# Altium PCB LF_v5.PcbDoc (part 1 of 2)
Units mm, origin at the board's own origin, x right, y up, seen from the top; angles counter-clockwise.
Board outline 130 x 40.35 mm, 2 copper layers (Top Layer, Bottom Layer), stack 1.571 mm thick; 76 components, 75 nets, 383 pads, 137 vias.
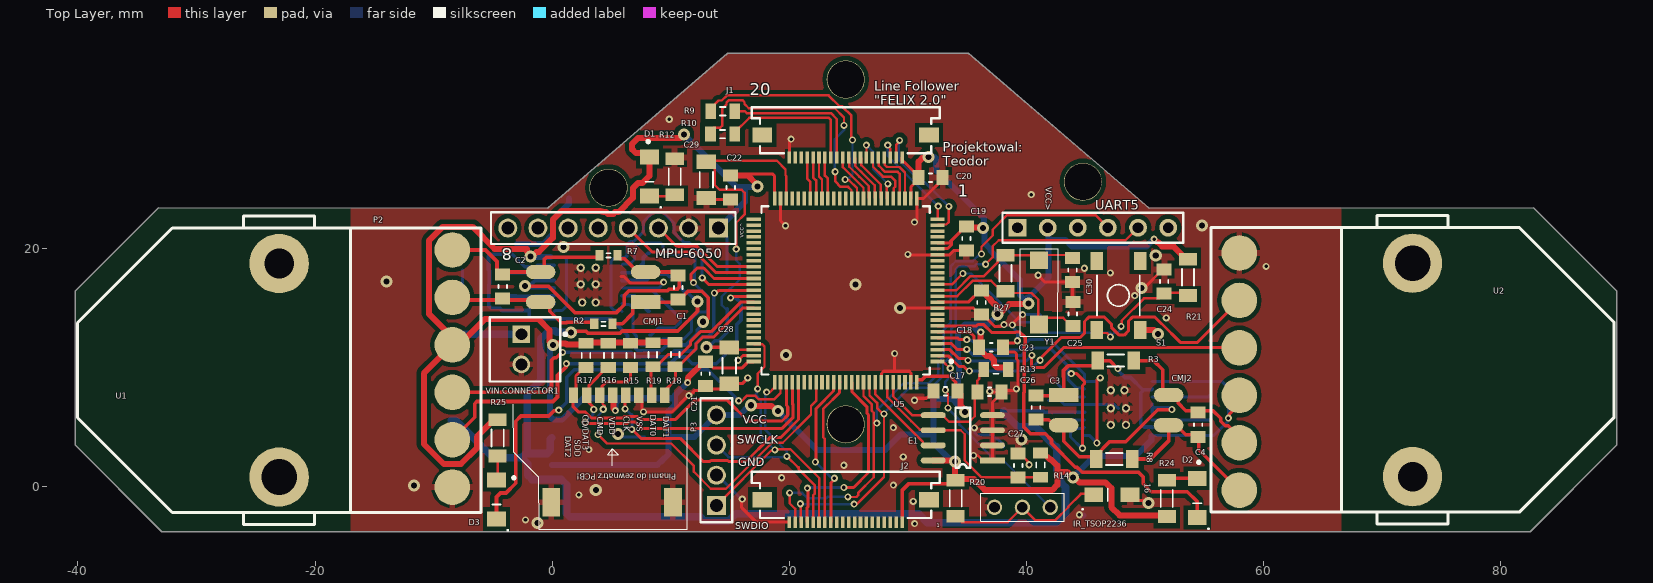
[diagram p0: Top Layer view]
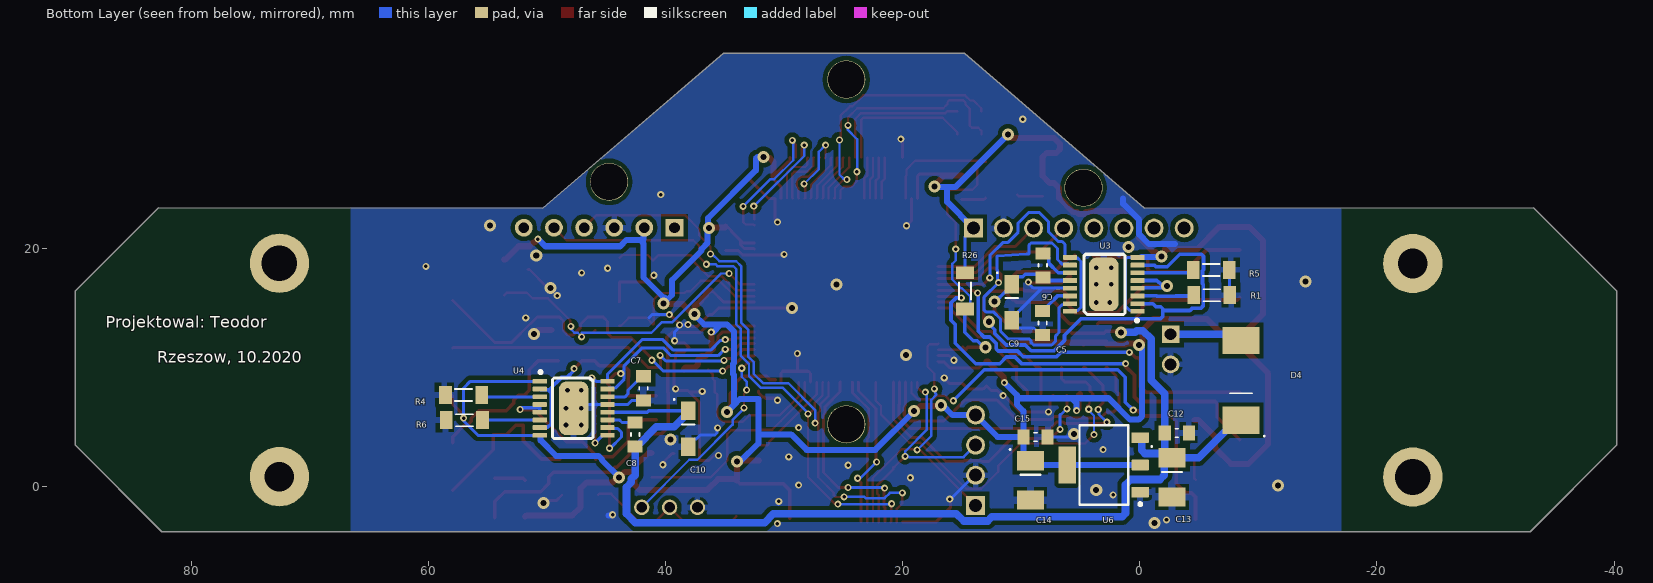
[diagram p1: Bottom Layer view, seen from below]
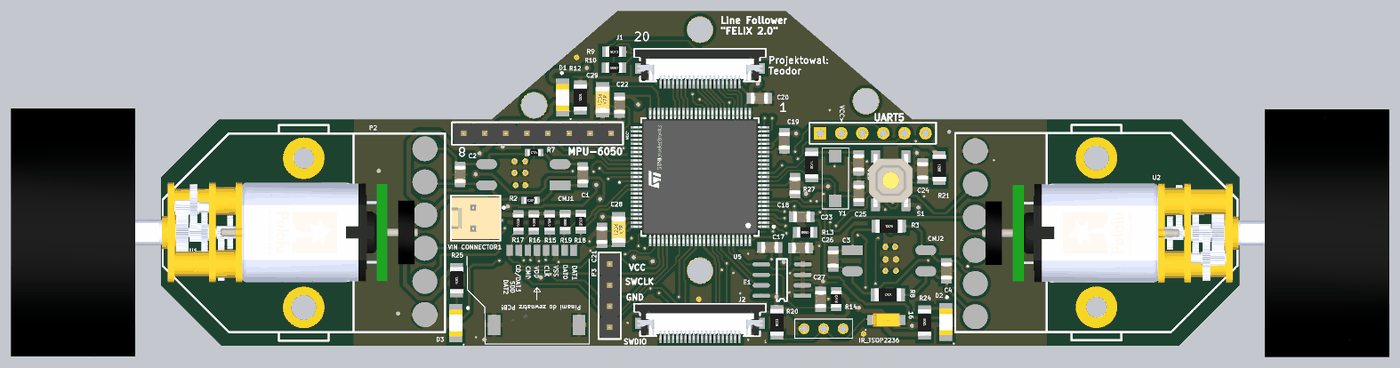
[diagram p3: 3D render of the assembled board from above, using the file's embedded part models]
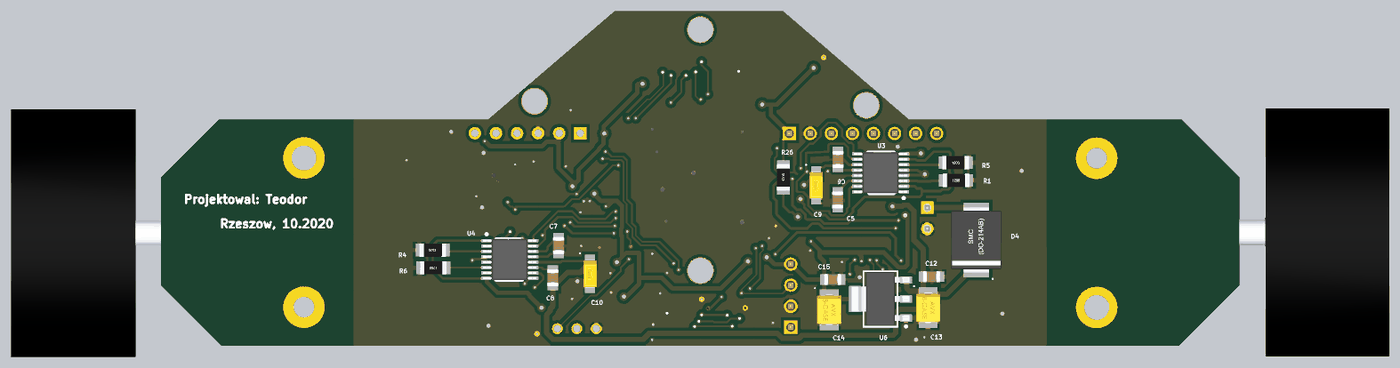
[diagram p4: 3D render of the assembled board from below, using the file's embedded part models]

## Layer stack, top to bottom
Top Solder: solder mask 0.0102, Solder Resist, Dk 3.5
Top Layer: signal copper 0.0356
Dielectric1: core 1.5, FR-4, Dk 4.8
Bottom Layer: signal copper 0.0356
Bottom Solder: solder mask 0.0102, Solder Resist, Dk 3.5

## Board outline
-40.225,3.45 -40.225,16.45 -33.225,23.45 -0.369,23.442 14.789,36.5 35.1,36.5 50.334,23.442 82.775,23.45 89.775,16.45 89.775,3.45 82.475,-3.85 -32.925,-3.85

## Design rules (kind name [scope] priority, off if disabled: settings)
AssemblyTestPointUsage [All] p1 off:
AssemblyTestpoint [All] p1 off: testpointundercomponent=TRUE minsize=1.016 maxsize=2.54 preferedsize=1.524 minholesize=0 maxholesize=1.016 preferedholesize=0.813 testpointgrid=0.025 usegrid=TRUE gridtolerance=0 allowsidetop=TRUE allowsidebottom=TRUE
Clearance Keep-Out [OnLayer('Keep-Out Layer')] p1: gap=0.406 ignorepadtopadclearanceinfootprint=FALSE except(0: Arc-Hole Track-Hole SMDPad-Hole THPad-Hole Via-Hole Fill-Hole Poly-Hole Region-Hole Text-Hole)
Clearance VIA-PAD [IsVIA vs IsPAD] p2: gap=0.152 ignorepadtopadclearanceinfootprint=FALSE except(0: Arc-Hole Track-Hole SMDPad-Hole THPad-Hole Via-Hole Fill-Hole Poly-Hole Region-Hole Text-Hole)
Clearance Clearance_REF [HasFootprint('Designator_blacking') or HasFootprint('Designator')] p3: gap=0.203 ignorepadtopadclearanceinfootprint=FALSE except(0: Arc-Hole Track-Hole SMDPad-Hole THPad-Hole Via-Hole Fill-Hole Poly-Hole Region-Hole Text-Hole)
Clearance Clearance_REF60 [HasFootprint('Designator_60_blacking') or HasFootprint('Designator_60')] p4: gap=0.381 ignorepadtopadclearanceinfootprint=FALSE except(0: Arc-Hole Track-Hole SMDPad-Hole THPad-Hole Via-Hole Fill-Hole Poly-Hole Region-Hole Text-Hole)
Clearance Clearance_28mil [HasFootprint('SFT01')] p5: gap=0.711 ignorepadtopadclearanceinfootprint=FALSE except(0: Arc-Hole Track-Hole SMDPad-Hole THPad-Hole Via-Hole Fill-Hole Poly-Hole Region-Hole Text-Hole)
Clearance Clearance_26mil [HasFootprint('SW-2') or HasFootprint('SW-4') or HasFootprint('SW-6') or HasFootprint('SW-8')] p6: gap=0.66 ignorepadtopadclearanceinfootprint=FALSE except(0: Arc-Hole Track-Hole SMDPad-Hole THPad-Hole Via-Hole Fill-Hole Poly-Hole Region-Hole Text-Hole)
Clearance Clearance_20mil [HasFootprint('NXW-02SMD') or HasFootprint('NXW-03SMD') or HasFootprint('NXW-04SMD') or HasFootprint('NXW-05SMD') or HasFootprint('NXW-06SMD') or HasFootprint('NXW-08SMD') or HasFootprint('NXW-10SMD') or HasFootprint('NXW-12SMD') or HasFootprint('GK2X5D_SMD_(PBMTD10S)')or HasFootprint('WE-PD2SA')   or HasFootprint('LK2X10E_SMD_(BHT20S)')] p7: gap=0.508 ignorepadtopadclearanceinfootprint=FALSE except(0: Arc-Hole Track-Hole SMDPad-Hole THPad-Hole Via-Hole Fill-Hole Poly-Hole Region-Hole Text-Hole)
Clearance Clearance_7.68mil [HasFootprint('TQFP64') vs IsPad] p8: gap=0.195 ignorepadtopadclearanceinfootprint=FALSE except(0: Arc-Hole Track-Hole SMDPad-Hole THPad-Hole Via-Hole Fill-Hole Poly-Hole Region-Hole Text-Hole)
Clearance InPolygon [InPolygon] p9: gap=0.381 ignorepadtopadclearanceinfootprint=FALSE except(0: Arc-Hole Track-Hole SMDPad-Hole THPad-Hole Via-Hole Fill-Hole Poly-Hole Region-Hole Text-Hole)
Clearance [All] p10: gap=0.203 ignorepadtopadclearanceinfootprint=FALSE except(0: Arc-Hole Track-Hole SMDPad-Hole THPad-Hole Via-Hole Fill-Hole Poly-Hole Region-Hole Text-Hole; 0.2: Arc-SMDPad Track-SMDPad SMDPad-SMDPad)
ComponentClearance [All] p1: gap=0 collisioncheckmode=3 verticalgap=0 showdistances=FALSE
FabricationTestPointUsage [All] p1 off: valid=0 allowmultiple=FALSE
FabricationTestpoint [All] p1 off: side=3 testpointundercomponent=TRUE minsize=1.016 maxsize=2.54 preferedsize=1.524 minholesize=0 maxholesize=1.016 preferedholesize=0.813 testpointgrid=0.025 allowsidetop=TRUE allowsidebottom=TRUE usegrid=TRUE gridtolerance=0
HoleSize HoleSize_Ramka [HasFootprint('hole_frame') or HasFootprint('hole_frame1')] p1: absolutevalues=TRUE maxlimit=3 minlimit=3 maxpercent=80.000 minpercent=20.000
HoleSize [All] p2: absolutevalues=TRUE maxlimit=5 minlimit=0.3 maxpercent=80.000 minpercent=20.000
MinimumSolderMaskSliver MinimumSolderMaskSliver_Ramka [HasFootprint('LOGO-05X18_so')] p1: minsoldermaskwidth=0
MinimumSolderMaskSliver MinimumSolderMaskSliver_Via-Pad [IsVia vs IsPad] p2: minsoldermaskwidth=0.508
MinimumSolderMaskSliver [All] p3: minsoldermaskwidth=0.14
PolygonConnect PolygonConnect_VIA [ISVIA] p1: connectstyle=Direct reliefconductorwidth=0.254 reliefentries=4 polygonreliefangle="90 Angle" airgapwidth=0.254
PolygonConnect PolygonConnect_30mil [HasFootprint('CE-SMD-J80_(H7,9MM)')] p2: connectstyle=Relief reliefconductorwidth=0.762 reliefentries=4 polygonreliefangle="90 Angle" airgapwidth=0.254
PolygonConnect PolygonConnect_24mil [HasFootprint('3528-SMDB') or HasFootprint('6032-SMDC') or HasFootprint('7343-SMDD')] p3: connectstyle=Relief reliefconductorwidth=0.61 reliefentries=4 polygonreliefangle="90 Angle" airgapwidth=0.254
PolygonConnect PolygonConnect_20mil [HasFootprint('0805R') or HasFootprint('0805C')or HasFootprint('1206R') or HasFootprint('1206C')] p4: connectstyle=Relief reliefconductorwidth=0.508 reliefentries=4 polygonreliefangle="90 Angle" airgapwidth=0.254
PolygonConnect PolygonConnect_16mil [HasFootprint('CF2040_V_(ZIF40-0,5MM)')] p5: connectstyle=Relief reliefconductorwidth=0.406 reliefentries=4 polygonreliefangle="90 Angle" airgapwidth=0.254
PolygonConnect PolygonConnect_14mil [HasFootprint('SOODIM-200_(TYCO,CONCRAFT 2,5V)') or HasFootprint('SOODIM-200_(TYCO,CONCRAFT 2,5V) - COLIBRI') or HasFootprint('TSSOP24') or HasFootprint('TSSOP20') or HasFootprint('TSSOP18') or HasFootprint('TSSOP16') or HasFootprint('TSSOP14') or HasFootprint('SSOP24-150-0.64') or HasFootprint('SOT-323-5')] p6: connectstyle=Relief reliefconductorwidth=0.356 reliefentries=4 polygonreliefangle="90 Angle" airgapwidth=0.254
PolygonConnect PolygonConnect_12mil [HasFootprint('CF2014_D_(ZIF14-0,5MM)') or HasFootprint('CF2040_U_(ODWROTNA NUMERACJA)') or HasFootprint('TQFP144') or HasFootprint('TQFP80') or HasFootprint('TQFP64') or HasFootprint('TQFP48') or HasFootprint('0603C') or HasFootprint('0603R') or HasFootprint('SOT-23-3') or HasFootprint('4D03')or HasFootprint('QFN16-0.65_(H1,6MM)')or HasFootprint('PLCC2') or HasFootprint('PLCC2-S')or HasFootprint('SFH5711')] p7: connectstyle=Relief reliefconductorwidth=0.305 reliefentries=4 polygonreliefangle="90 Angle" airgapwidth=0.254
PolygonConnect PolygonConnect_11mil [HasFootprint('QFN20_B&T') or HasFootprint('QFN24_B&T') or HasFootprint('QFN32_31_B&T') or HasFootprint('QFN32_34_B&T') or HasFootprint('QFN36_30x40_LT3958_B&T') or HasFootprint('QFN36_37_B&T') or HasFootprint('QFN36_44_B&T') or HasFootprint('QFN40_41_B&T') or HasFootprint('QFN40_44_B&T_1')or HasFootprint('QFN56_59_B&T')] p8: connectstyle=Relief reliefconductorwidth=0.279 reliefentries=4 polygonreliefangle="90 Angle" airgapwidth=0.254
PolygonConnect PolygonConnect_13mil [HasFootprint('QFN12-0.80_21_B&T') or HasFootprint('QFN16-0.65_21_B&T')] p9: connectstyle=Relief reliefconductorwidth=0.33 reliefentries=4 polygonreliefangle="90 Angle" airgapwidth=0.254
PolygonConnect PolygonConnect_10mil [HasFootprint('D0603') or HasFootprint('0402') or HasFootprint('D0603R') or HasFootprint('D0603G') or HasFootprint('D0603B') or HasFootprint('D0603Y') or HasFootprint('0402R') or HasFootprint('0402C')] p10: connectstyle=Relief reliefconductorwidth=0.254 reliefentries=4 polygonreliefangle="90 Angle" airgapwidth=0.254
PolygonConnect PolygonConnect_NoConnect [HasFootprint('SFT01') or HasFootprint('SW-2') or HasFootprint('SW-4') or HasFootprint('SW-6') or HasFootprint('SW-8') or HasFootprint('SOT-223') or HasFootprint('SOT-223_')] p11: connectstyle=NoConnect reliefconductorwidth=0.381 reliefentries=4 polygonreliefangle="90 Angle" airgapwidth=0.254
PolygonConnect [All] p12: connectstyle=Relief reliefconductorwidth=0.508 reliefentries=4 polygonreliefangle="90 Angle" airgapwidth=0.254
RoomDefinition Microcontroller [InComponentClass('Microcontroller')] p1: confinementstyle=ConfineOut formatcopy=TRUE lockcomponents=TRUE outline 128.5,7.3 179.3,7.3 179.3,32.7 128.5,32.7
RoomDefinition Power [InComponentClass('Power')] p2: confinementstyle=ConfineOut formatcopy=TRUE lockcomponents=TRUE outline 126.05,-57.45 176.85,-57.45 176.85,-32.05 126.05,-32.05
RoomDefinition Connectors [InComponentClass('Connectors')] p3: confinementstyle=ConfineOut formatcopy=TRUE lockcomponents=TRUE outline 128.9,38.3 179.7,38.3 179.7,63.7 128.9,63.7
RoomDefinition Motor_Driver [InComponentClass('Motor_Driver')] p4: confinementstyle=ConfineOut formatcopy=TRUE lockcomponents=FALSE outline 128.75,-24.6 180,-24.6 180,3.226 128.75,3.226
RoutingVias [All] p1: holewidth=0.508 width=1.016 viastyle="Through Hole" minholewidth=0.3 minwidth=0.6 maxholewidth=3 maxwidth=4
SilkToSilkClearance [All] p1: silktosilkclearance=0.025
SilkToSolderMaskClearance SilkscreenOverComponentPads [IsPad] p1: minsilkscreentomaskgap=0.152 clearancetoexposedcopper=TRUE
SolderMaskExpansion [All] p1: expansion=0.025 istentingtop=FALSE
Width Width_Ramka [HasFootprint('hole_frame') or HasFootprint('hole_frame1') or HasFootprint('Designator_blacking_B&T1') or HasFootprint('Designator_blacking_B&T2') or HasFootprint('Designator_blacking_B&T3') or HasFootprint('Designator_blacking_B&T4') or HasFootprint('Designator_blacking_B&T5')] p1: maxlimit=2.6 minlimit=0.254 preferedwidth=0.254
Width [All] p2: maxlimit=2.54 minlimit=0.203 preferedwidth=0.254
21 further rules are at their usual default settings.

## Classes and differential pairs
component class Power: C12 C13 C14 C15 D1 D4 R12 R26 U6 "VIN CONNECTOR1"
net class uSD_D[0..4]: uSD_D0 uSD_D1 uSD_D2 uSD_D3 uSD_D4
net class LD[3..4]: LD3 LD4
net class GPIO_[1..4]: GPIO_1 GPIO_2 GPIO_3 GPIO_4
net class ADC1_[0..9]: ADC1_0 ADC1_1 ADC1_2 ADC1_3 ADC1_4 ADC1_5 ADC1_6 ADC1_7 ADC1_8 ADC1_9
component class Motor_Driver: C1 C2 C3 C4 C5 C6 C7 C8 C9 C10 CMJ1 CMJ2 R1 R2 R3 R4 R5 R6 R7 R8 U1 U2 U3 U4
component class Connectors: 16 C26 C27 E1 IR_TSOP2236 J1 J2 P2 P3 R9 R10 R13 R14 R15 R16 R17 R18 R19 R20 SDD UART5
component class Microcontroller: C17 C18 C19 C20 C21 C22 C23 C24 C25 C28 C29 C30 D2 D3 R21 R24 R25 R27 S1 U5 Y1

## Components (designator, comment, footprint, x,y, rotation, side; value= is the part's Value field where it differs from the comment)
16 "4u7-16V" 3216-SMDA 45.677,-0.756 r0 top
C1 "470n" 0805C#1 10.625,15.718 r90 top
C2 "470n" 0805C#1 -4.175,15.8 r90 top
C3 "470n" 0805C#1 40.8,7.625 r270 top
C4 "470n" 0805C#1 54.466,6.182 r270 top
C5 "2u2-6V3" 0805C#1 8.2,14.75 r270 bottom
C6 "100n" 0805C#1 8.175,19.625 r270 bottom
C7 "2u2-6V3" 0805C#1 41.85,9.257 r270 bottom
C8 "100n" 0805C#1 42.55,5.357 r270 bottom
C9 "10u-16V" 3216-SMDA 10.804,17.023 r270 bottom
C10 "10u-16V" 3216-SMDA 38.059,6.348 r270 bottom
C12 "100n" 0805C#1 -2.104,4.475 r180 bottom
C13 "47u-10V" 3528-SMDB -2.714,2.377 r270 bottom
C14 "47u-10V" 3528-SMDB 9.225,2.127 r270 bottom
C15 "100n" 0805C#1 9.811,4.134 r180 bottom
C17 "100n" 0805C#1 34.182,8 r180 top
C18 "100n" 0805C#1 36.2,16.482 r270 top
C19 "100n" 0805C#1 34.925,21.883 r270 top
C20 "100n" 0805C#1 30.893,26 r0 top
C21 "100n" 0805C#2 12.925,10.48 r270 top
C22 "100n" 0805C#2 15.05,26.196 r270 top
C23 "100n" 0805C#2 36,11.7 r0 top
C24 "100n" 0805C#1 51.597,16.225 r90 top
C25 "10p" 0805C#1 43.9,15.532 r270 top
C26 "22p" 0805C#1 35.85,7.94 r0 top
C27 "22p" 0805C#1 39.295,0.725 r90 top
C28 "2.2uF" 1206C 14.932,8.627 r90 top
C29 "2.2uF" 1206C 13,24.291 r90 top
C30 "10p" 0805C#1 43.875,17.193 r90 top
CMJ1 "CMJ2101" CMJ2101FP 7.875,15.51 r180 top
CMJ2 "CMJ2101" CMJ2101FP 43.125,7.665 r0 top
D1 "n.m." D1206#1 8.2,24.45 r90 top
D2 "n.m." D1206#2 54.386,-2.652 r90 top
D3 "n.m." D1206#2 -4.7,-2.777 r90 top
D4 "SK36" DO214AB -8.525,5.544 r90 bottom
E1 "EEPROM M24C16" SOP8EEPROM 37.125,2.16 r180 top
IR_TSOP2236 "TSOP_2236" TSOP2236+HIGH 42,-1.8 r180 top
J1 "KOMUNIKACJA Z CZUJNIKAMI" 687120183722 24.75,30 r180 top locked
J2 "Komunikacja Zewnętrzna" 687120183722 24.75,-0.75 r180 top locked
P2 "MPU_6050" 61300811121 5.15,21.75 r180 top
P3 "61300411121" 61300411121 13.85,2.18 r90 top
R1 "0.1" 1206R -4.55,16.091 r180 bottom
R2 "n.m." 0603R 5.074,13.681 r180 top
R3 "n.m" 1206R 46.002,10.575 r0 top
R4 "0.1" 1206R 55.5,7.684 r0 bottom
R5 "0.1" 1206R -4.5,18.225 r180 bottom
R6 "0.1" 1206R 55.427,5.55 r0 bottom
R7 "n.m." 0603R 5.5,19.45 r180 top
R8 "n.m" 1206R 45.875,2.275 r0 top
R9 "22R-1%" 0805R 15.407,31.6 r180 top
R10 "22R-1%" 0805R 15.382,29.675 r180 top
R12 "470R-1%" 1206R 10.334,24.552 r90 top
R13 "3k-1%" 0805R 38.44,9.82 r180 top
R14 "3k-1%" 0805R 41.175,2.782 r270 top
R15 "47k-1%" 0805R 6.61,12.025 r270 top
R16 "47k-1%" 0805R 4.73,12.025 r270 top
R17 "47k-1%" 0805R 2.85,12.025 r270 top
R18 "47k-1%" 0805R 10.369,12.107 r270 top
R19 "47k-1%" 0805R 8.49,12.075 r270 top
R20 "100R-1%" 1206R 34.025,0.485 r270 top
R21 "10k-1%" 1206R 53.604,19.115 r270 top
R24 "62R-1%" 1206R 51.825,-2.575 r90 top
R25 "62R-1%" 1206R -4.6,5.573 r270 top
R26 "n.m." 1206R 14.75,14.927 r90 bottom
R27 "1M" 1206R 38.225,19.473 r270 top
S1 "TACT" INT-1187S_16 45.907,13.146 r0 top
SDD "Wtyk_uSD" 112K-TAA0-RA1 5.054,3.15 r180 top
U1 "PololuZENK" POLOLUZENK -21.375,10.25 r180 top locked
U2 "PololuZENK" POLOLUZENK 70.9,9.3 r0 top locked
U3 "DRV8833PWPBYT" DRV8833PWPBYTEOR 3.035,17.003 r0 bottom
U4 "DRV8833PWPBYT" DRV8833PWPBYTEOR 47.742,6.551 r180 bottom
U5 "STM32H743VIT6" FP-LQFP100-1L-MFG 24.75,16.5 r180 top locked
U6 "LM1117MP-3.3/NOPB" DCY0004A_L 3.041,1.775 r0 bottom
UART5 "BLEE_CONN" HDR1X6 39.24,21.783 r0 top
"VIN CONNECTOR1" "61900211121" 61900211121 -2.3,11.525 r90 top
Y1 "Rezonator_z_Botland" REZONATOR_Z_BOTLANDU 41.042,13.63 r90 top

## Footprints (in the part's own frame and the unit in brackets; to place one, negate y for a bottom-side part, rotate by r counter-clockwise, add the part's x,y. Pads: shape width x height; smd on the part's side, far side on the other; paste and mask are expansions set on the pad)
112K-TAA0-RA1 [mm]
  rect 0.8x1.3 smd: 1(3.257,-4.5) 2(2.157,-4.5) 3(1.057,-4.5) 4(-0.043,-4.5) 5(-1.143,-4.5) 6(-2.243,-4.5) 7(-3.343,-4.5) 8(-4.45,-4.486)
  rect 1.5x2.4 smd: SH1(-5.13,4.5) SH1(5.13,4.5)
  silkscreen extent -6.35,-3.76 8.4,6.8, body extent -6.2,-3.85 8.43,6.53, height 1
0603R [mil]
  rect 27x34 smd mask+1: 1(0,0) 2(60,0)
  silkscreen extent 23,-7 37,7, body extent -1,-16 61,16, height 17
0805C#1 [mil]
  rect 40x50 smd mask+1: 1(0,0) 2(80,0)
  silkscreen extent 35,-14 45,14, body extent -1,-27 81,27, height 53
0805C#2 [mil]
  rect 40x50 smd: 1(0,0) 2(80,0)
  silkscreen extent 35,-14 45,14, body extent -1,-27 81,27, height 53
0805R [mil]
  rect 35x50 smd mask+1: 1(0,0) 2(80,0)
  silkscreen extent 31,-14 49,14, body extent 1,-25 79,25, height 23
1206C [mil]
  rect 47x64 smd: 1(0,0) 2(120,0)
  silkscreen extent 34,-22 86,22, body extent -3,-33 123,33, height 67
1206R [mil]
  rect 42x60 smd mask+1: 1(0,0) 2(120,0)
  silkscreen extent 32,-20 88,20, body extent -3,-31 123,31, height 24
3216-SMDA [mil]
  rect 62x48 smd mask+1: 1(0,0) 2(120,0)
  silkscreen extent -39,-49 46,21, body extent -7,-32 127,31, height 65
3528-SMDB [mil]
  rect 64x90 smd mask+1: 1(0,0) 2(130,0)
  silkscreen extent -39,-70 47,33, body extent -8,-58 138,58, height 80
61300411121 [mm] "Pin Header, pitch 2.54 mm, THT, Vertical, single row, 4p"
  rect 1.6x1.6 hole 1.1: 1(-3.81,0)
  round 1.6 hole 1.1: 2(-1.27,0) 3(1.27,0) 4(3.81,0)
  silkscreen extent -5.23,-1.35 5.23,1.35, body extent -5.08,-1.27 5.08,1.27, height 8.57
61300811121 [mm] "Pin Header, pitch 2.54 mm, THT, Vertical, single row, 8p"
  rect 1.6x1.6 hole 1.1: 1(-8.89,0)
  round 1.6 hole 1.1: 2(-6.35,0) 3(-3.81,0) 4(-1.27,0) 5(1.27,0) 6(3.81,0) 7(6.35,0) 8(8.89,0)
  silkscreen extent -10.31,-1.35 10.31,1.35, body extent -10.16,-1.27 10.16,1.27, height 8.57
61900211121 [mm] "2.54mm Male Locking Header, 2p"
  rect 1.5x1.5 hole 1: 1(1.27,0.3)
  round 1.5 hole 1: 2(-1.27,0.3)
  silkscreen extent -2.71,-3.52 2.71,2.98, body extent -2.54,-2.9 2.54,2.9, height 11.53
687120183722 [mm] "ZIF Connectors, Horizontal, Bottom Contact Low Profile, pitch 0.5mm, 20p"
  rect 0.3x1 smd: 1(-4.75,2.3) 2(-4.25,2.3) 3(-3.75,2.3) 4(-3.25,2.3) 5(-2.75,2.3) 6(-2.25,2.3) 7(-1.75,2.3) 8(-1.25,2.3) 9(-0.75,2.3) 10(-0.25,2.3) 11(0.25,2.3) 12(0.75,2.3) 13(1.25,2.3) 14(1.75,2.3) 15(2.25,2.3) 16(2.75,2.3) 17(3.25,2.3) 18(3.75,2.3) 19(4.25,2.3) 20(4.75,2.3)
  rect 1.65x1.3 smd: MP1(-7.025,0.4) MP2(7.025,0.4)
  silkscreen extent -7.92,-1.95 7.93,1.95, body extent -7.85,-1.9 7.85,2.35, height 1.28
CMJ2101FP [mm]
  rect 2.5x1.2 smd: 1(0,0)
  oval 2.5x1.2 smd: 2(0,-2.54) 3(8.85,-2.54) 4(8.85,0)
  body extent 0.3,-3.55 8.91,0.99, height 5
D1206#1 [mil]
  rect 50x62 smd: 1(0,0) 2(130,0)
  silkscreen extent -39,-40 48,14, body extent 2,-31 128,32, height 43
D1206#2 [mil]
  rect 50x62 smd mask+1: 1(0,0) 2(130,0)
  silkscreen extent -39,-40 48,14, body extent 2,-31 128,32, height 43
DCY0004A_L [mm] "SOT223, 4-Leads, Body 6.7x3.7mm, Pitch 2.3mm, IPC High Density"
  rrect11% 1.45x0.9 smd: 1(-3.075,2.3) 2(-3.075,0) 3(-3.075,-2.3)
  rrect7% 1.45x3.15 smd: 4(3.075,0)
  silkscreen extent -3.2,-3.35 2.05,3.42, body extent -3.5,-3.25 3.5,3.25, height 1.62
DO214AB [mil]
  rect 90x122 smd paste-130 mask-130: 1(0,0) 2(265,0)
  silkscreen extent -54,-79 90,37, body extent -28,-120 293,120, height 93
DRV8833PWPBYTEOR [mm]
  rrect25% 1.2x0.4 smd: 1(-2.85,2.275) 2(-2.85,1.625) 3(-2.85,0.975) 4(-2.85,0.325) 5(-2.85,-0.325) 6(-2.85,-0.975) 7(-2.85,-1.625) 8(-2.85,-2.275) 9(2.85,-2.275) 10(2.85,-1.625) 11(2.85,-0.975) 12(2.85,-0.325) 13(2.85,0.325) 14(2.85,0.975) 15(2.85,1.625) 16(2.85,2.275)
  round 0.7 hole 0.4: 17(-0.635,-1.397) 17(-0.635,0) 17(-0.508,1.524) 17(0.635,-1.397) 17(0.635,0) 17(0.635,1.524)
  rrect50% 2.5x4.5 smd: 17(0,0)
  silkscreen extent -2.92,-2.54 1.65,3.17, body extent -3.21,-2.5 3.21,2.5, height 0.98
FP-LQFP100-1L-MFG [mm]
  rect 1.2x0.3 smd paste+0 mask+0: 1(-7.75,6) 2(-7.75,5.5) 3(-7.75,5) 4(-7.75,4.5) 5(-7.75,4) 6(-7.75,3.5) 7(-7.75,3) 8(-7.75,2.5) 9(-7.75,2) 10(-7.75,1.5) 11(-7.75,1) 12(-7.75,0.5) 13(-7.75,0) 14(-7.75,-0.5) 15(-7.75,-1) 16(-7.75,-1.5) 17(-7.75,-2) 18(-7.75,-2.5) 19(-7.75,-3) 20(-7.75,-3.5) 21(-7.75,-4) 22(-7.75,-4.5) 23(-7.75,-5) 24(-7.75,-5.5) 25(-7.75,-6) 51(7.75,-6) 52(7.75,-5.5) 53(7.75,-5) 54(7.75,-4.5) 55(7.75,-4) 56(7.75,-3.5) 57(7.75,-3) 58(7.75,-2.5) 59(7.75,-2) 60(7.75,-1.5) 61(7.75,-1) 62(7.75,-0.5) 63(7.75,0) 64(7.75,0.5) 65(7.75,1) 66(7.75,1.5) 67(7.75,2) 68(7.75,2.5) 69(7.75,3) 70(7.75,3.5) 71(7.75,4) 72(7.75,4.5) 73(7.75,5) 74(7.75,5.5) 75(7.75,6)
  rect 0.3x1.2 smd paste+0 mask+0: 26(-6,-7.75) 27(-5.5,-7.75) 28(-5,-7.75) 29(-4.5,-7.75) 30(-4,-7.75) 31(-3.5,-7.75) 32(-3,-7.75) 33(-2.5,-7.75) 34(-2,-7.75) 35(-1.5,-7.75) 36(-1,-7.75) 37(-0.5,-7.75) 38(0,-7.75) 39(0.5,-7.75) 40(1,-7.75) 41(1.5,-7.75) 42(2,-7.75) 43(2.5,-7.75) 44(3,-7.75) 45(3.5,-7.75) 46(4,-7.75) 47(4.5,-7.75) 48(5,-7.75) 49(5.5,-7.75) 50(6,-7.75) 76(6,7.75) 77(5.5,7.75) 78(5,7.75) 79(4.5,7.75) 80(4,7.75) 81(3.5,7.75) 82(3,7.75) 83(2.5,7.75) 84(2,7.75) 85(1.5,7.75) 86(1,7.75) 87(0.5,7.75) 88(0,7.75) 89(-0.5,7.75) 90(-1,7.75) 91(-1.5,7.75) 92(-2,7.75) 93(-2.5,7.75) 94(-3,7.75) 95(-3.5,7.75) 96(-4,7.75) 97(-4.5,7.75) 98(-5,7.75) 99(-5.5,7.75) 100(-6,7.75)
  silkscreen extent -9.03,-7.1 7.1,7.1, body extent -8.45,-8.45 8.45,8.45, height 0.25
HDR1X6 [mm] "Connector; Header; 6 Position"
  rect 1.5x1.5 hole 0.9: 1(0,0)
  round 1.5 hole 0.9: 2(2.54,0) 3(5.08,0) 4(7.62,0) 5(10.16,0) 6(12.7,0)
  silkscreen extent -1.27,-1.27 13.97,1.27
INT-1187S_16 [mil]
  rect 42x60 smd paste+0 mask+1: 1(0,0) 2(145,0) 3(0,230) 4(145,230)
  silkscreen extent 2,48 144,182, body extent -32,-11 177,241, height 55
POLOLUZENK [mm]
  round 3 smd: 1(-12.954,10.348) 2(-12.954,6.348) 3(-12.954,2.348) 4(-12.954,-1.652) 5(-12.954,-5.652) 6(-12.954,-9.652)
  round 5 hole 3: ""(1.651,9.491)
  round 5 hole 2.5: ""(1.651,-8.509)
  silkscreen extent -15.37,-12.51 18.65,13.49, body extent -12.14,-14.57 36.95,15.43, height 20.63
REZONATOR_Z_BOTLANDU [mm]
  rect 1.5x1.5 smd: 1(0,0) 2(5.4,0)
  silkscreen extent -1,-1.65 6.38,1.58, body extent -0.03,-1.65 5.48,1.63, height 1.5
SOP8EEPROM [mm]
  rect 2.1x0.5 smd: 1(0,0)
  oval 2.1x0.5 smd: 2(0,-1.27) 3(0,-2.54) 4(0,-3.81) 5(5,-3.81) 6(5,-2.54) 7(5,-1.27) 8(5,0)
  silkscreen extent 1.89,-4.44 3.12,0.64, body extent 0.63,-4.44 4.32,0.51, height 2
TSOP2236+HIGH [mm]
  round 1.3 hole 0.9: 1(2.35,0) 2(0,0) 3(4.7,0)
  silkscreen extent -1.17,-1.17 5.85,1.17, body extent 1.18,-1.21 3.58,1.19, height 13

## Part data
16: library part "4u7-16V  3216", "Kond. tantalowy  A  16V  20%", Indeks=20462, Nazwa=4u7-16V
C1 C2 C3 C4 C6 C8 C12 C15 C24: library part "100n  0805", "Kond. ceramiczny X7R  50V  10%", Indeks=5566, Nazwa=100n
C5 C7: library part "2u2-6V3  0805", "Kond. ceramiczny X7R  6V3  10%", Indeks=20978, Nazwa=2u2-6V3
C9 C10: library part "10u-16V  3216", "Kond. tantalowy  A  16V  20%", Indeks=12471, Nazwa=10u-16V
C13 C14: library part "47u-10V  3528", "Kond. tantalowy  B  10V  20%", Indeks=4032, Nazwa=47u-10V
C17 C18 C19 C20 C21 C22 C23: library part "10n  0805", "Kond. ceramiczny X7R  50V  10%", Nazwa=10n
C25 C30: library part "10p  0805", "Kond. ceramiczny NP0  50V", Nazwa=10p
C26 C27: library part "22p  0805", "Kond. ceramiczny NP0  50V", Nazwa=22p
C28 C29: library part Cap_2.2uF_X7R_10%_1206, "Capacitor,2.2uF,16V, X7R,10%,1206,YAGEO", Manuf_1=YAGEO, Manuf_2=KEMET, Manuf_Part_1=CC1206KKX7R7BB225, Manuf_Part_2=C1206C225K4RAC, ECCN_US/EU=n/a, Order=CC1206KKX7R7BB225, Revision="July-2002: Re-released for DXP Platform."
CMJ1 CMJ2: "Dlawik 100uH 500mA"
D1 D2 D3: library part "n.m.  D1206", "Dioda LED", Index=-, Nazwa=n.m.
D4: library part "SK36  DO214AB", "Dioda Schottky  60V  IF=3A  VF=0,75V", Index=9145, Nazwa=SK36
J1 J2: library part CMP-1502-01579-1, "SMT ZIF Connectors Low Profile WR-FPC, Horizontal, Bottom Contact, pitch 0.5 mm, 20 pins", Contact Resistance=30mOhm, Manufacturer="Wurth Elektronik", Operating Temperature=-25to85degC, Package Reference=687120183722, Rated Current=0.4A, Withstanding Voltage=250VAC, Working Voltage=50VAC, Contact Design=BottomContact, Datasheet URL=https://katalog.we-online.de/em/datasheet/687120183722.pdf, Manufacturer URL=http://www.we-online.de, Mounting Technology=SMT, Orientation=Horizontal, Packaging=TapeandReel, Part Number=687120183722, Pin Number=20, Pitch=0.5mm, Publisher=WurthElektronik
P2: library part CMP-1502-01076-1, "THT Vertical Pin Header WR-PHD, Pitch 2.54 mm, Single Row, 8 pins", Contact Resistance=20mOhm, Manufacturer="Wurth Elektronik", Operating Temperature=-40to105degC, Package Reference=61300811121, Rated Current=3A, Withstanding Voltage=500VAC, Working Voltage=250VAC, Datasheet URL=https://katalog.we-online.de/em/datasheet/6130xx11121.pdf, Gender=Male, Manufacturer URL=http://www.we-online.de, Mounting Technology=THT, Orientation=Vertical, Packaging=Bag, Part Number=61300811121, Pin Number=8, Pitch=2.54mm, Publisher=WurthElektronik, Row Number=Single
P3: library part CMP-1502-01064-1, "SWD", Contact Resistance=20mOhm, Manufacturer="Wurth Elektronik", Operating Temperature=-40to105degC, Rated Current=3A, Withstanding Voltage=500VAC, Working Voltage=250VAC, Datasheet URL=https://katalog.we-online.de/em/datasheet/6130xx11121.pdf, Gender=Male, Manufacturer URL=http://www.we-online.de, Mounting Technology=THT, Orientation=Vertical, Package Reference=61300411121, Packaging=Bag, Part Number=61300411121, Pin Number=4, Pitch=2.54mm, Publisher=WurthElektronik, Row Number=Single
R1 R3 R4 R5 R6 R8: library part "0R12-1%  1206", "Rezystor 0,25W", Nazwa=0R12-1%
R2 R7: library part "n.m.  0603", "Rezystor 0,063W", Indeks=-, Nazwa=n.m.
R9 R10: library part "22R-1%  0805", "Rezystor 0,125W", Nazwa=22R-1%
R12: library part "470R-1%  1206", "Rezystor 0,25W", Nazwa=470R-1%
R13 R14: library part "3k-1%  0805", "Rezystor 0,125W", Nazwa=3k-1%
R15 R16 R17 R18 R19: library part "47k-1%  0805", "Rezystor 0,125W", Nazwa=47k-1%
R20: library part "100R-1%  1206", "Rezystor 0,25W", Nazwa=100R-1%
R21: library part "10k-1%  1206", "Rezystor 0,25W", Nazwa=10k-1%
R24 R25: library part "62R-1%  1206", "Rezystor 0,25W", Nazwa=62R-1%
R26: library part "n.m.  1206", "Rezystor 0,25W", Indeks=-, Nazwa=n.m.
R27: library part "100k-1%  1206", "Rezystor 0,25W", Nazwa=100k-1%
S1: library part "TACTDF52H16M250  INT-1187S_16", "Switch SMD h=1,6mm Innocent  INT-1187S_16", Index=11540, Nazwa=TACTDF52H16M250
SDD: library part 112K-TAA0-RA1
U3 U4: "Mostek caly by TEOR"
U5: library part CMP-12105-000050-1, "IC MCU 32BIT 2MB FLASH 100LQFP", Ambient Temperature Range High=+85°C, Ambient Temperature Range Low=-40°C, Frequency=480MHz, Manufacturer=STMicroelectronics, Max Junction Temp=+125°C, Max Supply Voltage=3.6V, Min Supply Voltage=1.71V, Package=LQFP100-1L, Temperature="-40°C to +125°C", Automotive=No, Category=IC, ComponentLink2Description=Datasheet, ComponentLink2URL=https://www.st.com/resource/en/datasheet/stm32h743vi.pdf, Core Architecture="Arm Cortex-M7", Data Bus Width=32bits, Device Class L1="Integrated Circuits (ICs)", Device Class L2="Embedded Processors and Controllers", Device Class L3=Microcontrollers, Digikey Description="IC MCU 32BIT 2MB FLASH 100LQFP", Height=1.6mm, Interface=I2C,SPI,UART,USART,USB,LIN,IrDA,Ethernet,I2S,Other, Ipc Land Pattern Name=QFP50P1600X1600X160-100, Lead Free=Yes, Manufacturer Part Number=STM32H743VIT6, Memory Size=2MBytes, Memory Type=FLASH, Number Of A/D Converters=3, Number Of Adc Channels=36, Number Of Cores=1, Number Of Ethernet Channels=1, Number Of I2C Channels=4, Number Of I/Os=82, Number Of Pwm Channels=42, Number Of Spi Channels=6, Number Of Timers/Counters=20, Number Of Uart Channels=9, Number Of Usb Channels=2, Octopart=https://octopart.com/stm32h743vit6-stmicroelectronics-76372527, Ram Size=1060KBytes, RoHS=TRUE, Standoff Height=0.05mm, Temperature Range High=+125°C, Temperature Range Low=-40°C
U6: library part CMP-0062-01638-4, "800mA Low-Dropout Linear Regulator, 4-pin SOT-223, Pb-Free", Manufacturer="Texas Instruments", PackageTopMarking=XYTT*N05A, PowerWise=N, Code_IPC=SOT223-4, Code_JEDEC=TO-261-AA, ComponentLink1Description="Datasheet URL", ComponentLink1URL=http://www.ti.com/general/docs/lit/getliterature.tsp?genericPartNumber=LM1117-N&fileType=pdf, CompType="LDO IC", High-Reliability=Y, PackageDescription="Molded SOT-223, 6.50 x 3.56 x 1.6mm Body, 4 Lead, 2.3mm Pitch", PackageReference=DCY0004A, PartNumber=LM1117MP-3.3/NOPB, PinCount=4, RoHS=Y
UART5: library part "Header 6", "Header, 6-Pin", LatestRevisionDate=17-Jul-2002, LatestRevisionNote="Re-released for DXP Platform.", Publisher="Altium Limited"
"VIN CONNECTOR1": library part CMP-1502-00584-1, "Male Locking Header WR-WTB, THT, Vertical, pitch 2.54 mm, 1 x 2 position", Contact Resistance=20mOhm, Manufacturer="Wurth Elektronik", Operating Temperature=-40to105degC, Working Voltage=250VAC, Datasheet URL=https://katalog.we-online.de/em/datasheet/6190xx11121.pdf, Gender=Male, Manufacturer URL=http://www.we-online.de, Mounting Technology=THT, Orientation=Vertical, Package Reference=61900211121, Packaging=Bag, Part Number=61900211121, Pitch=2.54mm, Position=1x2, Publisher=WurthElektronik

## Free pads (board coordinates)
  round 3.2 hole 3.1: 1(24.75,5.2) 1(24.75,34.275) 22(4.75,25.15)
  round 3.2 hole 3.1 mask+0: 22(44.75,25.65)

## Via types
v1: diameter 0.6, hole 0.3, Top Layer to Bottom Layer, tented both sides, 100 vias
v2: diameter 1.016, hole 0.508, Top Layer to Bottom Layer, tented both sides, 33 vias
v3: diameter 0.6, hole 0.3, Top Layer to Bottom Layer, 4 vias

## Nets (pads, with @x,y where several pads share a name; then routed paths per layer and width w, separated by ;. In a path a pad name is that pad's centre, name@x,y a point inside that pad or via, vN(x,y) a via of type N, cw(c..) or ccw(c..) an arc to the next point about the centre after c; other vN are vias at no path point)
ADC1_0: J1.2 U5.24 | length 11.5
  Top Layer w0.203: J1.2@29,27.7 29,28.743 29.3,29.043 v1(29.3,29.15) ; U5.24@32.5,22 32.548,22.048 33.225,22.048 33.45,22.273 v1(33.45,23.575)
  Bottom Layer w0.203: v1(29.3,29.15) 29.225,29.075 29.225,27.474 30.824,25.875 31.15,25.875 v1(33.45,23.575)
ADC1_1: J1.3 U5.25 | length 9.2
  Top Layer w0.203: v1(28.3,28.75) 28.3,28.648 28.5,28.448 J1.3@28.5,27.7 ; U5.25@32.5,22.5 32.5,23.55 v1(32.55,23.6)
  Bottom Layer w0.203: v1(28.3,28.75) 28.3,27.825 32.525,23.6 v1(32.55,23.6)
ADC1_2: J1.4 U5.28 | length 4.8
  Top Layer w0.203: J1.4@28,27.7 28.048,27.652 28.048,27.075 28.225,26.898 29.299,26.898 29.75,26.448 U5.28@29.75,24.25
ADC1_3: J1.5 U5.29 | length 4.9
  Top Layer w0.203: J1.5@27.5,27.7 27.548,27.652 27.548,27.183 27.548,27.001 28.057,26.492 29.131,26.492 29.317,26.306 29.317,25.062 29.298,25.043 29.298,24.298 U5.29@29.25,24.25
ADC1_4: J1.6 U5.30 | length 4.7
  Top Layer w0.203: J1.6@27,27.7 27.048,27.652 27.048,26.926 27.889,26.086 28.583,26.086 28.911,25.757 28.911,25.231 28.798,25.118 28.798,24.298 U5.30@28.75,24.25
ADC1_5: J1.7 U5.31 | length 6.4
  Top Layer w0.203: v1(26.5,28.75) J1.7@26.5,27.7 J1.7@26.548,27.652 ; U5.31@28.25,24.25 28.202,24.298 28.202,24.867 28.202,25.376 v1(28.306,25.481)
  Bottom Layer w0.203: v1(26.5,28.75) 27.075,28.175 27.075,26.7 28.294,25.481 v1(28.306,25.481)
ADC1_6: J1.8 U5.32 | length 4.2
  Top Layer w0.203: J1.8@26,27.7 26.048,27.652 26.048,27.183 26.048,27.075 26.225,26.898 26.227,26.898 27.702,25.423 27.702,24.298 U5.32@27.75,24.25
ADC1_7: J1.9 U5.33 | length 4.2
  Top Layer w0.203: J1.9@25.5,27.7 25.548,27.652 25.548,27.001 26.057,26.492 27.202,25.347 27.202,24.298 U5.33@27.25,24.25
ADC1_8: J1.10 U5.34 | length 4.2
  Top Layer w0.203: J1.10@25,27.7 25.048,27.652 25.048,27.183 25.048,26.926 25.889,26.086 26.702,25.273 26.702,24.298 U5.34@26.75,24.25
ADC1_9: J1.11 U5.35 | length 4.2
  Top Layer w0.203: J1.11@24.5,27.7 24.505,27.695 24.505,26.895 26.25,25.15 U5.35@26.25,24.25
EEPROM_SCL: C27.1 E1.6 R14.2 U5.95 | length 18.3
  Top Layer w0.203: U5.95@28.25,8.75 28.25,7.499 30.292,5.458 30.998,4.751 32.074,4.751 E1.6@32.125,4.7 34.45,4.7 34.788,4.362 34.788,2.152 36.215,0.725 C27.1@39.295,0.725 41.15,0.725 R14.2@41.175,0.75
EEPROM_SDA: C26.1 E1.5 R13.2 U5.96 | length 13.4
  Top Layer w0.203: U5.96@28.75,8.75 28.75,7.574 30.374,5.95 32.105,5.95 E1.5@32.125,5.97 32.925,5.97 33.483,5.412 35.162,5.412 35.638,5.888 35.638,7.728 C26.1@35.85,7.94 35.85,8.88 36.001,9.031 36.001,9.414 R13.2@36.408,9.82
EEPROM_WC: E1.7 U5.93 | length 7.8
  Top Layer w0.203: U5.93@27.25,8.75 27.25,7.725 31.268,3.707 31.268,3.567 31.405,3.43 E1.7@32.125,3.43
ENK1_M1: U2.2 U5.2 | length 32.8
  Top Layer w0.254: U5.2@32.5,11 32.523,10.977 33.405,10.977 34.31,10.073 34.709,10.073 35.081,9.7 v1(35.175,9.7) ; v1(41.137,10.605) 41.137,10.737 42.914,12.514 44.519,12.514 44.879,12.873 44.879,13.876 45.238,14.235 46.576,14.235 47.145,13.666 47.145,13.396 47.821,12.72 48.236,12.72 48.605,13.089 48.605,13.919 48.921,14.235 50.836,14.235 51.408,13.663 51.422,13.663 52.964,12.121 54.419,12.121 U2.2@57.946,15.648
  Bottom Layer w0.254: v1(35.175,9.7) 40.188,9.7 41.094,10.605 v1(41.137,10.605)
ENK1_M2: U1.2 U5.64 | length 36.3
  Top Layer w0.254: v1(15.042,15.862) 15.136,15.862 15.274,16 U5.64@17,16
  Top Layer w0.305: U1.2@-8.421,3.902 -6.525,5.798 -6.525,6.946 -6.346,7.125 0.075,7.125 0.45,7.5 0.45,9.33 1.2,10.08 v1(1.2,10.325)
  Bottom Layer w0.305: v1(1.2,10.325) 9.978,10.325 10.528,10.875 11.25,10.875 11.817,10.308 13.833,10.308 15.575,12.05 15.575,13.625 15.925,13.975 15.925,15.444 15.507,15.862 v1(15.042,15.862)
ENK2_M1: U2.3 U5.3 | length 27.8
  Top Layer w0.254: U5.3@32.5,11.5 33.529,11.5 34.279,10.75 34.877,10.75 35.032,10.594 v1(35.063,10.594) ; v1(40.449,11.02) 40.4,10.971 40.4,10.124 40.549,9.975 41.425,9.975 43.114,11.664 57.93,11.664 U2.3@57.946,11.648
  Bottom Layer w0.254: v1(35.063,10.594) 35.121,10.536 39.965,10.536 v1(40.449,11.02)
ENK2_M2: U1.3 U5.63 | length 32.7
  Top Layer w0.254: v1(13.675,16.275) 13.825,16.275 14.05,16.5 U5.63@17,16.5
  Top Layer w0.305: U1.3@-8.421,7.902 -0.548,7.902 -0.058,8.392 -0.058,10.592 0.158,10.808 0.335,10.808 0.795,11.268 v1(0.875,11.268)
  Bottom Layer w0.305: v1(0.875,11.268) 6.644,11.268 7.019,10.893 9.828,10.893 10.318,11.383 11.933,11.383 12.112,11.561 12.112,12.023 12.651,12.563 13.138,12.563 13.636,13.061 13.636,16.236 v1(13.675,16.275)